# Altium PCB PCB.PcbDoc
Units mm, origin at the board's own origin, x right, y up, seen from the top; angles counter-clockwise.
Board outline 107.4 x 73.2 mm, 2 copper layers (Top Layer, Bottom Layer), stack 1.57 mm thick; 56 components, 24 nets, 146 pads, 364 vias.
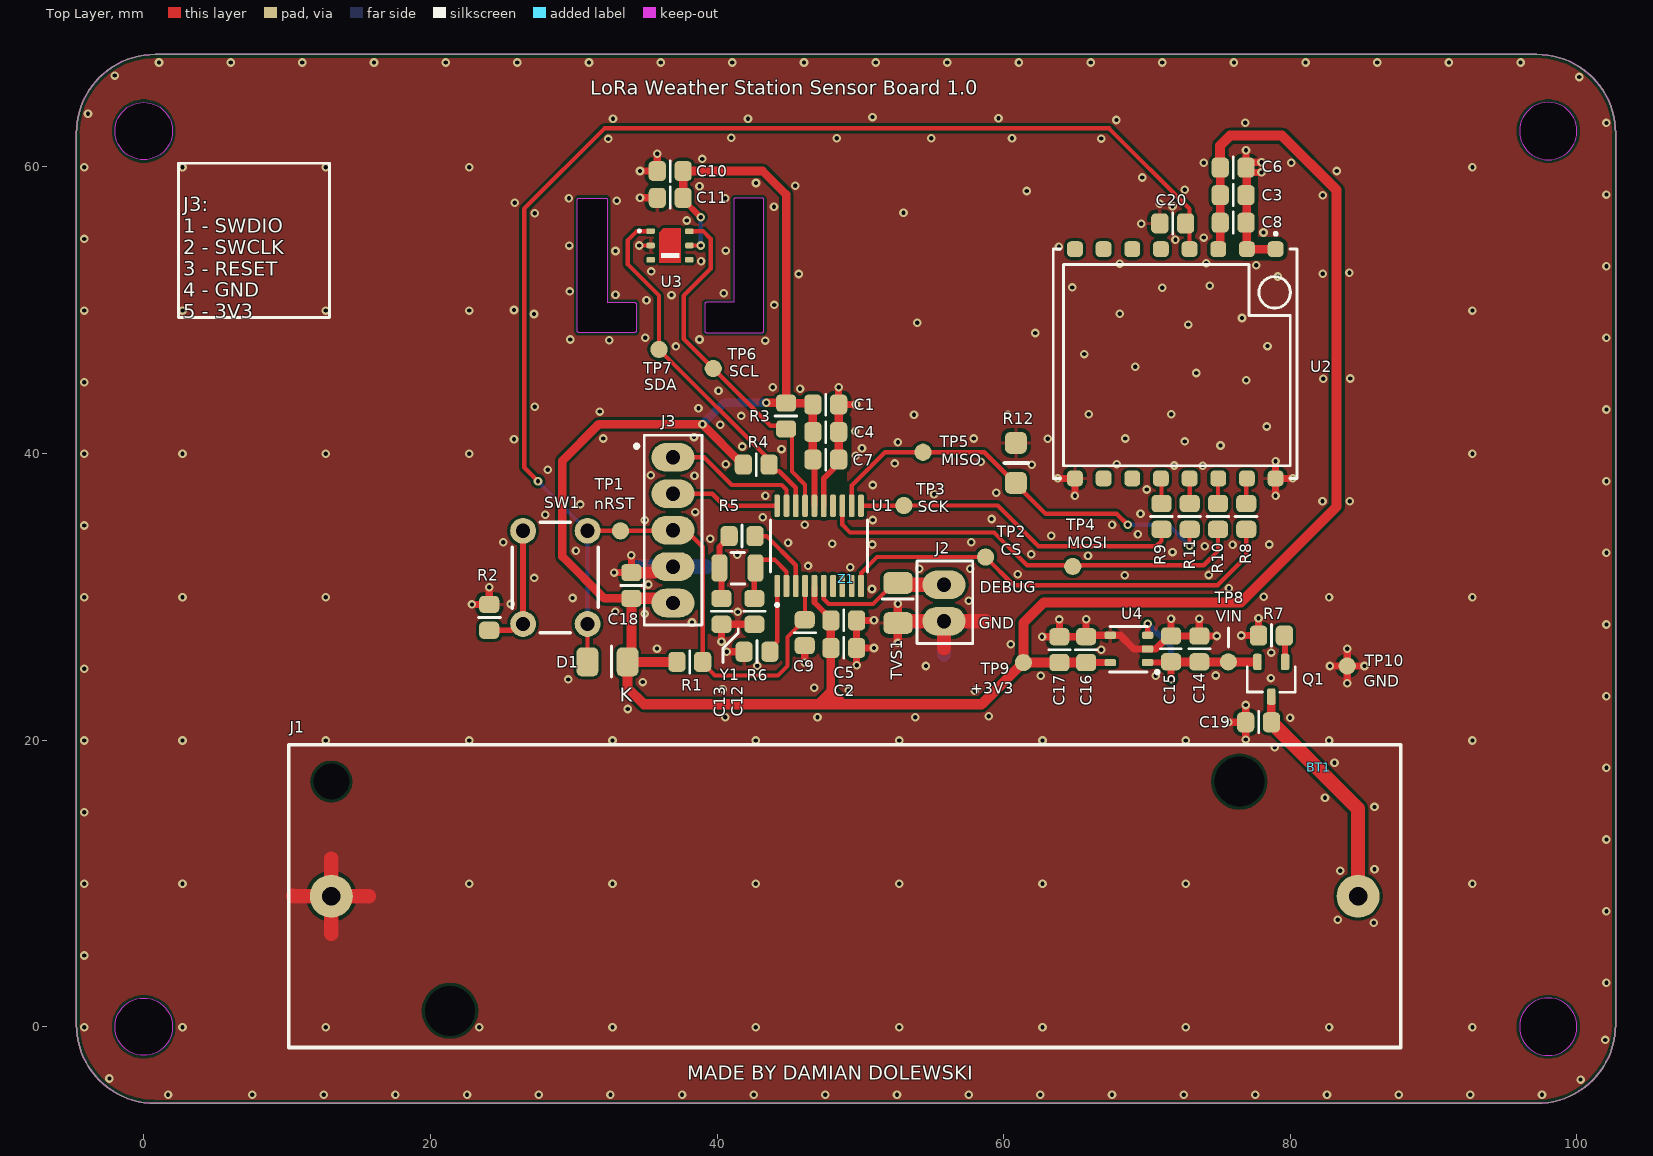
[diagram p0: Top Layer view]
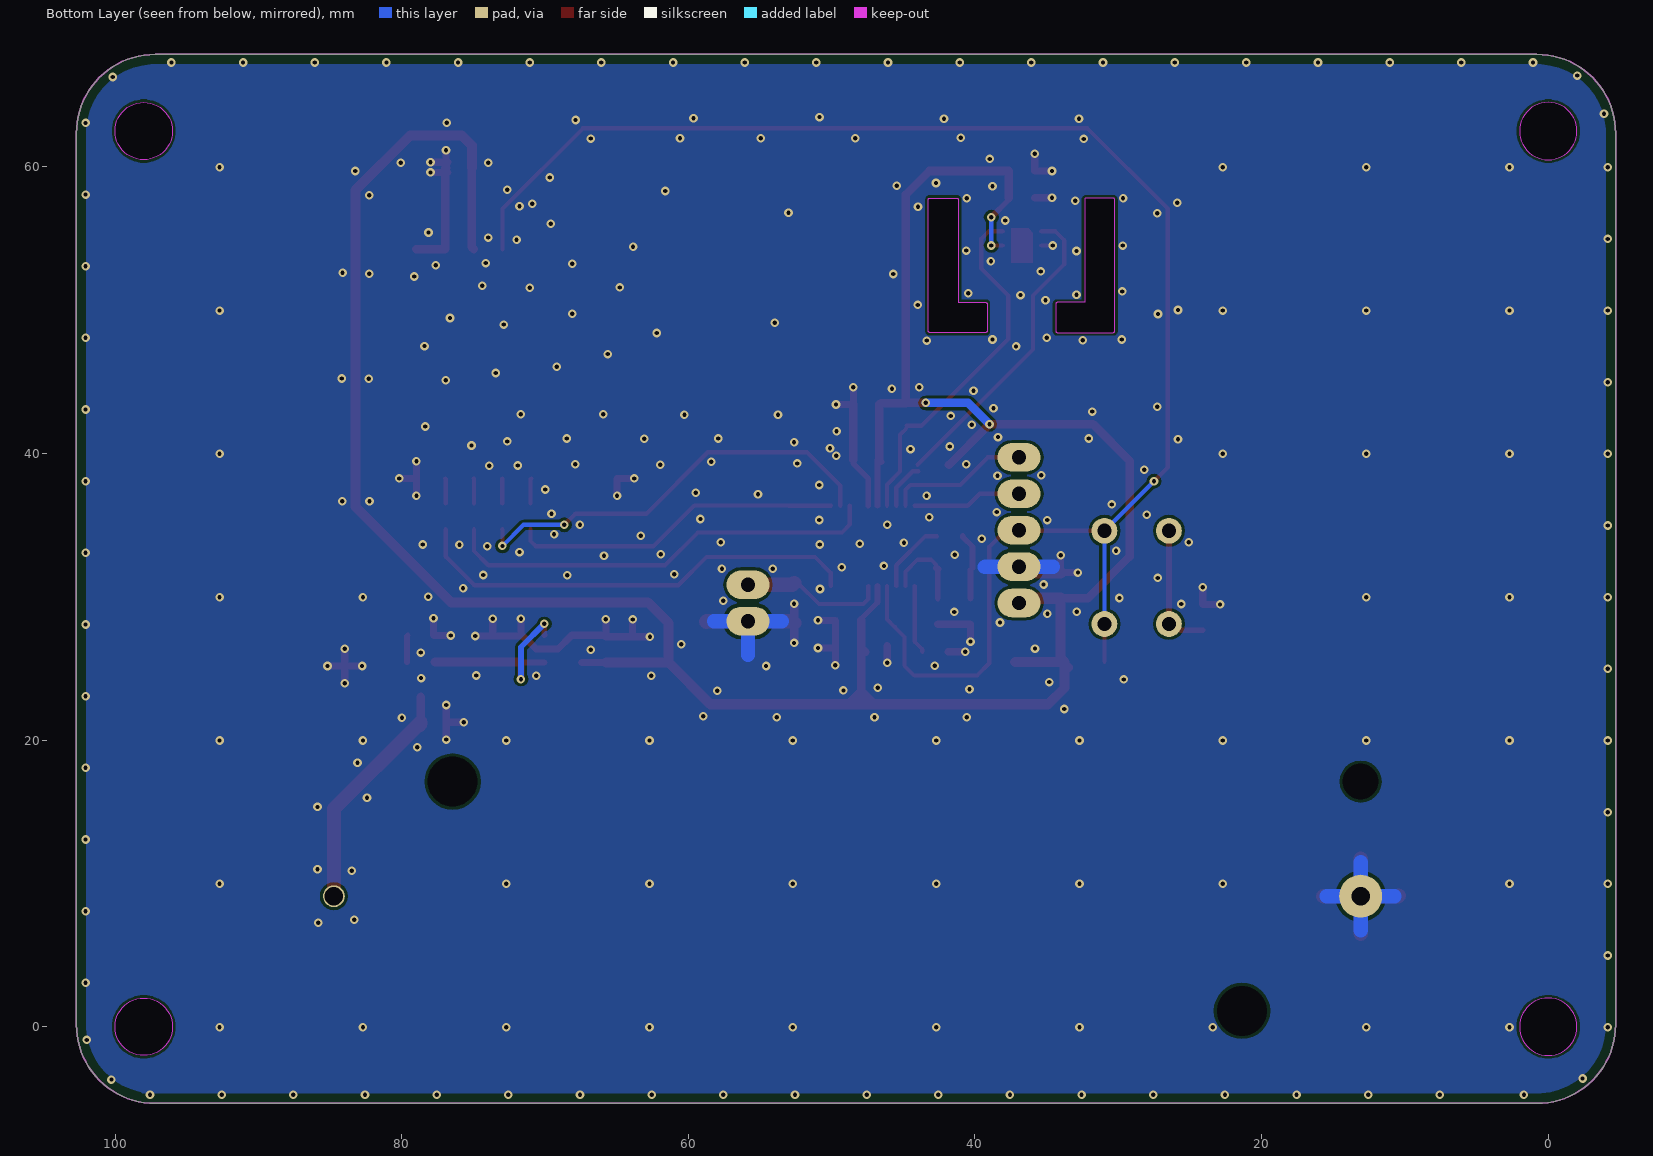
[diagram p1: Bottom Layer view, seen from below]
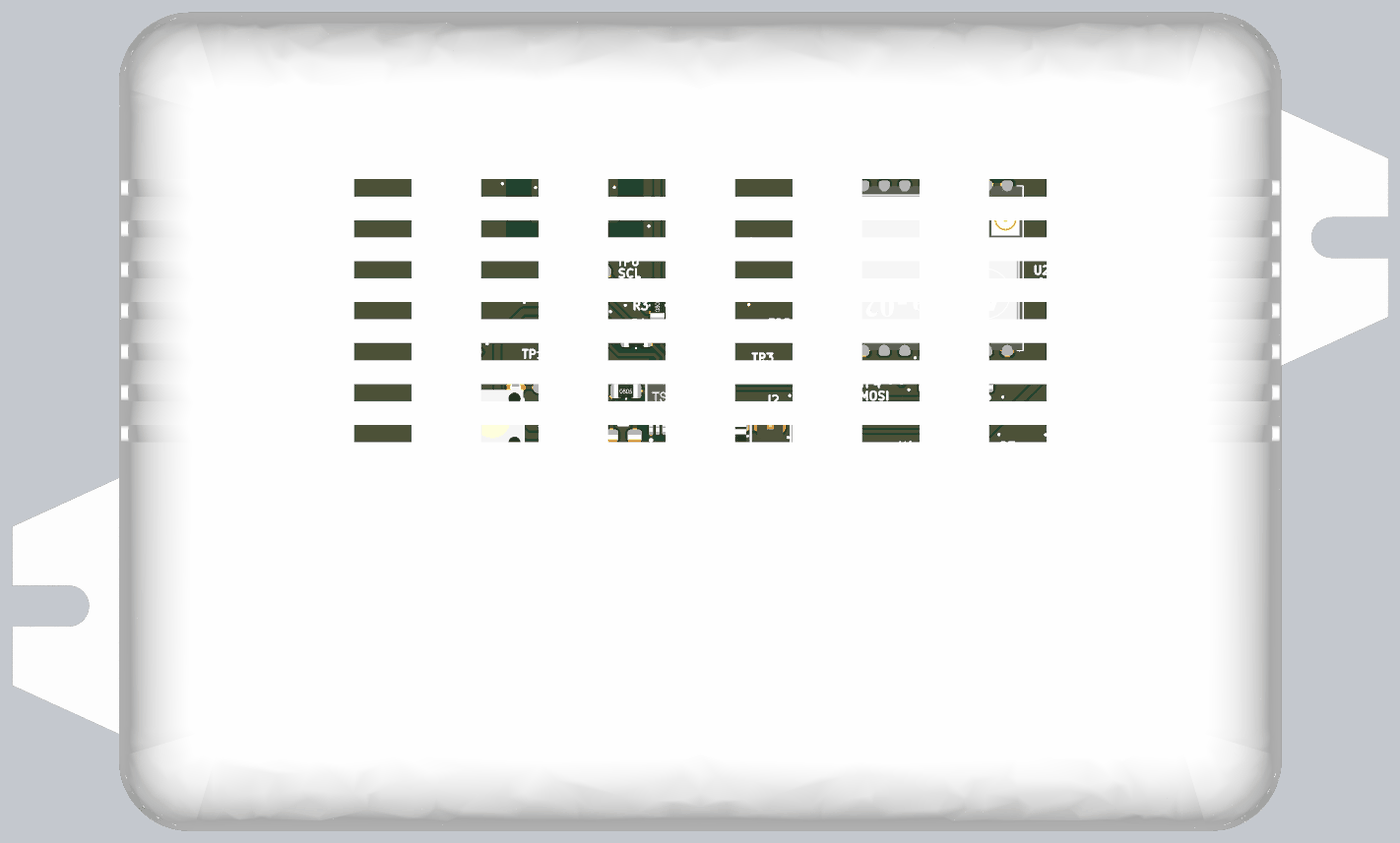
[diagram p2: 3D render of the assembled board from above, using the file's embedded part models]

## Layer stack, top to bottom
Top Solder: solder mask 0.0102, Solder Resist, Dk 3.5
Top Layer: signal copper 0.035
Dielectric 1: dielectric 1.5, FR-4, Dk 4.8
Bottom Layer: signal copper 0.035
Bottom Solder: solder mask 0.0102, Solder Resist, Dk 3.5

## Board outline
-4.7,0.15 -4.7,62.35 cw(c0.8,62.35) 0.8,67.85 97.2,67.85 cw(c97.2,62.35) 102.7,62.35 102.7,0.15 cw(c97.2,0.15) 97.2,-5.35 0.8,-5.35 cw(c0.8,0.15)
cut-out: 30.357,48.441 cw(c30.357,48.541) 30.257,48.541 30.257,57.716 cw(c30.357,57.716) 30.357,57.816 32.257,57.816 cw(c32.257,57.716) 32.358,57.716 32.358,50.541 34.257,50.541 cw(c34.257,50.441) 34.358,50.441 34.358,48.541 cw(c34.257,48.541) 34.257,48.441
cut-out: 43.157,48.441 ccw(c43.157,48.541) 43.258,48.541 43.258,57.716 ccw(c43.157,57.716) 43.157,57.816 41.257,57.816 ccw(c41.257,57.716) 41.157,57.716 41.157,50.541 39.257,50.541 ccw(c39.257,50.441) 39.157,50.441 39.157,48.541 ccw(c39.257,48.541) 39.257,48.441
cut-out: 0,-2 cw(c0,0) -2,0 cw(c0,0) 0,2 cw(c0,0) 2,0 cw(c0,0)
cut-out: 0,60.5 cw(c0,62.5) -2,62.5 cw(c0,62.5) 0,64.5 cw(c0,62.5) 2,62.5 cw(c0,62.5)
cut-out: 96,62.5 ccw(c98,62.5) 98,60.5 ccw(c98,62.5) 100,62.5 ccw(c98,62.5) 98,64.5 ccw(c98,62.5)
cut-out: 96,0 ccw(c98,0) 98,-2 ccw(c98,0) 100,0 ccw(c98,0) 98,2 ccw(c98,0)

## Design rules (kind name [scope] priority, off if disabled: settings)
Clearance [All] p1: gap=0.2 ignorepadtopadclearanceinfootprint=TRUE
ComponentClearance [All] p1: gap=0 collisioncheckmode=3 verticalgap=0 showdistances=FALSE
Height [All] p1: minheight=0 maxheight=30 prefheight=12.7
HoleSize [All] p1: absolutevalues=TRUE maxlimit=10 minlimit=0.025 maxpercent=80.000 minpercent=20.000
MinimumSolderMaskSliver [All] p1: minsoldermaskwidth=0
NetAntennae [InNet('NetANTENNA_1')] p1: netantennaetolerance=100
PolygonConnect PolygonConnect_BH [HasFootprint('MR18650')] p1: connectstyle=Relief reliefconductorwidth=0.5 reliefentries=4 polygonreliefangle="90 Angle" airgapwidth=0.3
PolygonConnect PolygonConnect_Via [IsVia] p2: connectstyle=Direct reliefconductorwidth=0.254 reliefentries=4 polygonreliefangle="90 Angle" airgapwidth=0.254
PolygonConnect [All] p3: connectstyle=Relief reliefconductorwidth=0.254 reliefentries=4 polygonreliefangle="90 Angle" airgapwidth=0.254
RoomDefinition sensors [InComponentClass('sensors')] p1: confinementstyle=ConfineIn formatcopy=TRUE lockcomponents=FALSE outline -46.082,-45.585 335.674,-45.585 335.674,199.956 -46.082,199.956
RoutingVias [All] p1: holewidth=0.8 width=2 viastyle="Through Hole" minholewidth=0.8 minwidth=2 maxholewidth=0.8 maxwidth=2
SilkToSilkClearance [All] p1: silktosilkclearance=0
SilkToSolderMaskClearance [IsPad] p1: minsilkscreentomaskgap=0 clearancetoexposedcopper=TRUE
SolderMaskExpansion [All] p1: expansion=0.102
Width [All] p1: maxlimit=2 minlimit=0.2 preferedwidth=0.3 bottomlayer_minwidth=0 minimp=50.000000 maximp=50.000000 favimp=50.000000
23 further rules are at their usual default settings.

## Components (designator, comment, footprint, x,y, rotation, side; value= is the part's Value field where it differs from the comment)
BT1 "SAMSUNG ICR 18650-22P" BATTERY_18650 81.993,18.11 r180 top locked
C1 "Capacitor" C_0805 47.587,43.422 r0 top value=10u
C2 "Capacitor" C_0805 48.843,26.433 r180 top value=1u
C3 "Capacitor" C_0805 76.01,58.027 r180 top value=10u
C4 "Capacitor" C_0805 47.587,41.502 r0 top value=10u
C5 "Capacitor" C_0805 48.843,28.354 r180 top value=10n
C6 "Capacitor" C_0805 76.01,59.948 r180 top value=10u
C7 "Capacitor" C_0805 47.587,39.581 r0 top value=100n
C8 "Capacitor" C_0805 76.01,56.107 r180 top value=100n
C9 "Capacitor" C_0805 46.12,27.501 r90 top value=100n
C10 "Capacitor" C_0805 36.732,59.713 r0 top value=100n
C11 "Capacitor" C_0805 36.735,57.843 r180 top value=1u
C12 "Capacitor" C_0805 42.601,28.984 r90 top value=14p
C13 "Capacitor" C_0805 40.31,28.984 r90 top value=14p
C14 "Capacitor" C_0805 73.652,26.367 r90 top value=1u
C15 "Capacitor" C_0805 71.681,26.37 r270 top value=100n
C16 "Capacitor" C_0805 65.756,26.32 r270 top value=100n
C17 "Capacitor" C_0805 63.886,26.316 r90 top value=1u
C18 "Capacitor" C_0805 34.024,30.792 r270 top value=100n
C19 "Capacitor" C_0805 77.787,21.248 r180 top value=10u
C20 "Capacitor" C_0805 71.795,56.058 r0 top value=100n
D1 "SS110-TP" D_1206 32.36,25.466 r0 top
J1 "Header 2" "KEYSTONE 1043" 48.91,9.11 r180 top locked value="KEYSTONE 1034"
J2 "Header 2" "header 2.54mm 2pin" 55.842,29.573 r270 top value=HDR2
J3 "Header 5" "header 2.54mm 5pin" 36.925,34.651 r270 top value=HDR5
Q1 "MOSFET-P" SOT-23 78.672,24.235 r270 top
R1 "Resistor" R_0805 38.1,25.466 r180 top value=10k
R2 "Resistor" R_0805 24.107,28.569 r270 top value=330
R3 "Resistor" R_0805 44.817,42.621 r90 top value=2k2
R4 "Resistor" R_0805 42.736,39.225 r180 top value=2k2
R5 "Resistor" R_0805 41.749,34.237 r0 top value=75
R6 "Resistor" R_0805 42.787,26.17 r0 top value=10k
R7 "Resistor" R_0805 78.683,27.299 r0 top value=10k
R8 "Resistor" R_0805 76.927,35.611 r90 top value=22R
R9 "Resistor" R_0805 71.012,35.611 r90 top value=22R
R10 "Resistor" R_0805 74.955,35.611 r90 top value=22R
R11 "Resistor" R_0805 72.984,35.611 r90 top value=22R
R12 "Resistor" R_1206 60.858,39.345 r270 top value=10k
SW1 "Switch-PB 4 Pins" SPST_NO_1301 28.718,31.357 r90 top value=TACT-64N-F
TP1 "TEST PAD" PIN 33.262,34.607 r180 top
TP2 "TEST PAD" PIN 58.738,32.774 r90 top
TP3 "TEST PAD" PIN 53.035,36.373 r90 top
TP4 "TEST PAD" PIN 64.821,32.122 r180 top
TP5 "TEST PAD" PIN 54.369,40.089 r90 top
TP6 "TEST PAD" PIN 39.739,45.931 r90 top
TP7 "TEST PAD" PIN 35.954,47.263 r90 top
TP8 "TEST PAD" PIN 75.675,25.464 r90 top
TP9 "TEST PAD" PIN 61.375,25.411 r90 top
TP10 "TEST PAD" PIN 83.972,25.171 r90 top
TVS1 "SMAJ5.0ALFCT-ND" D_1206 52.622,29.571 r90 top value=5V
U1 "STM32F030F4P6" TSSOP20 44.195,30.755 r0 top
U2 "LoRa RA-02 SX1278 433MHz" RA-02 71.971,46.261 r270 top value=RA-02
U3 "SHT21" DFN6 36.716,54.516 r0 top
U4 "TPS78233" SOP5(6) 68.739,26.366 r180 top
Y1 "7A-8.000MAAE-T" CFPX_217 41.428,32.012 r180 top value=8MHz
Z1 "Maszczyk KM-31NO GY" "KM-31NO GY" 49.01,31.275 r180 top locked

## Footprints (in the part's own frame and the unit in brackets; to place one, negate y for a bottom-side part, rotate by r counter-clockwise, add the part's x,y. Pads: shape width x height; smd on the part's side, far side on the other; paste and mask are expansions set on the pad)
BATTERY_18650 [mm]
  body extent 0,0 65.1,18, height 21
C_0805 [mm] "Chip Capacitor, Body 2.0x1.3mm, IPC High Density"
  rrect50% 1.2x1.4 smd: 1(-0.9,0) 2(0.9,0)
  silkscreen extent 0,-0.75 0,0.72, body extent -1.01,-0.62 0.99,0.63, height 0.8
CFPX_217 [mm] "3.2 x 1.5mm SMD crystal"
  rrect50% 1.1x1.9 smd: 1(-1.257,0) 2(1.257,0)
  silkscreen extent -0.51,-1.09 0.46,1.12, body extent -1.57,-0.76 1.65,0.76, height 0.91
D_1206 [mil]
  rrect50% 60x80 smd: 1(-55,0) 2(55,0)
  silkscreen extent 11,-42 11,43, body extent -66,-34 66,34, height 33
DFN6 [mm] "body 3x3mm"
  rrect50% 0.6x0.4 smd: 1(-1.35,1) 2(-1.35,0) 3(-1.35,-1) 4(1.35,-1) 5(1.35,0) 6(1.35,1)
  Top Layer region: 0.75,-1.2 -0.75,-1.2 -0.75,0.9 -0.45,1.2 0.75,1.2
  silkscreen extent -2.21,-0.89 0.66,1.09, body extent -1.5,-1.5 1.5,1.5, height 1
"header 2.54mm 2pin" [mm]
  oval 2x3 hole 1: 1(-1.27,0) 2(1.27,0)
  silkscreen extent -2.93,-1.9 2.83,2, body extent -2.54,-1.27 2.54,1.27, height 8.57
"header 2.54mm 5pin" [mm] "Connector; Header; 5 Position"
  oval 2x3 hole 1: 1(-5.08,0) 2(-2.54,0) 3(0,0) 4(2.54,0) 5(5.08,0)
  silkscreen extent -6.63,-2 6.63,2.02, body extent -6.35,-1.27 6.35,1.27, height 8.57
"KEYSTONE 1043" [mm]
  round 3 / inner round 1.524 / far side round 1.524 hole 1.3: 1(-35.82,0)
  round 3 hole 1.3: 2(35.82,0)
  round 0 hole 3.5 unplated: MH9(-27.54,-8) MH9(27.54,8)
  round 0 hole 2.5 unplated: MH9(35.82,-8)
  silkscreen extent -38.8,-10.58 38.8,10.55, body extent -38.52,-10.33 38.53,10.32, height 14.86
"KM-31NO GY" [mm]
  body extent -67.14,-39.98 67.16,40.03, height 24.3
PIN [mm] "Test Pad"
  round 1.2 smd: 1(0,0)
R_0805 [mm] "Chip Resistor, Body 2.0x1.2mm, IPC Medium Density"
  rrect50% 1.2x1.4 smd: 1(-0.9,0) 2(0.9,0)
  silkscreen extent 0,-0.75 0,0.77, body extent -1.16,-0.67 1.14,0.68, height 0.76
R_1206 [mil]
  rrect50% 60x60 smd: 1(-55,0) 2(55,0)
  silkscreen extent 0,-31 0,33, body extent -62,-31 64,32, height 22
RA-02 [mm]
  rrect50% 1.1x1.1 smd: 1(-8,7) 2(-8,5) 3(-8,3) 4(-8,1) 5(-8,-1) 6(-8,-3) 7(-8,-5) 8(-8,-7) 9(8,-7) 10(8,-5) 11(8,-3) 12(8,-1) 13(8,1) 14(8,3) 15(8,5) 16(8,7)
  silkscreen extent -9.14,-8.51 8,8.51, body extent -8,-8.5 8,8.5
SOP5(6) [mm] "Small Outline; 6 Leads (1 Absent); Body Width 4.4 mm; Pitch 1.27 mm"
  rrect50% 0.8x0.5 smd mask+0.076: 1(-1.3,0.95) 2(-1.3,0) 3(-1.3,-0.95) 4(1.3,-0.95) 5(1.3,0.95)
  silkscreen extent -2.08,-1.56 1.34,1.71, body extent -1.2,-1.52 1.3,1.48, height 1.11
SOT-23 [mm] "SOT23, 3-Leads, Body 2.9x1.3mm, Pitch 0.95mm, Lead Span 2.5mm, IPC Medium Density"
  rrect50% 1.15x0.6 smd: 1(-1.219,0.965) 2(-1.219,-0.965) 3(1.194,0)
  silkscreen extent -0.89,-1.68 0.89,1.68, body extent -1.53,-1.5 1.47,1.5, height 1.3
SPST_NO_1301 [mm] "Micro Switch case 1301"
  round 1.8 hole 1: 1(-3.25,2.25) 2(3.25,2.25) 3(-3.25,-2.25) 4(3.25,-2.25)
  silkscreen extent -3.85,-3.01 3.85,3.01, body extent -3.85,-3 3.85,3, height 4.3
TSSOP20 [mm] "TSSOP, Plastic; 20 Leads; Body Width 5.3 mm; Pitch 0.65 mm"
  rrect50% 0.4x1.55 smd mask+0.07: 1(0,0) 2(0.65,0) 3(1.3,0) 4(1.95,0) 5(2.6,0) 6(3.25,0) 7(3.9,0) 8(4.55,0) 9(5.2,0) 10(5.85,0) 11(5.85,5.6) 12(5.2,5.6) 13(4.55,5.6) 14(3.9,5.6) 15(3.25,5.6) 16(2.6,5.6) 17(1.95,5.6) 18(1.3,5.6) 19(0.65,5.6) 20(0,5.6)
  silkscreen extent -0.47,-1.42 6.31,4.6, body extent -0.38,-0.51 6.22,6.09, height 1.2

## Part data
BT1: library part Battery, "Multicell Battery", LatestRevisionDate=17-Jul-2002, LatestRevisionNote="Re-released for DXP Platform.", PackageDescription="Battery; 2 Leads", PackageReference=BAT-2, Published=24-Mar-1999, Publisher="Altium Limited"
D1: library part "Diode Schottky", "Schottky Diode"
J1 J2: "Header, 2-Pin"
J3: "Header, 5-Pin"
Q1: "P-Channel MOSFET"
SW1: "Switch 4 Pins"
TP1 TP2 TP3 TP4 TP5 TP6 TP7 TP8 TP9 TP10: library part TEST_PAD, "PAD 1.5mm"
TVS1: library part Transil, "Transil"
U1: "Mikrokontroler ARM; Flash:16kB; 48MHz; SRAM:4kB; TSSOP20"
U2: library part "RA-02 SX1278"
U3: "Humidity and Temperature Sensor IC"
U4: "150-mA, ultra-low quiescent qurrent (500 nA) low-dropout linear regulator"
Y1: library part XTAL, "Crystal Oscillator"
Z1: library part "KM-31NO GY", "X:80mm; Y:114mm; Z:32mm; wentylowana; ABS"

## Via types
v1: diameter 0.6, hole 0.3, Top Layer to Bottom Layer, tented both sides, 364 vias

## Nets (pads, with @x,y where several pads share a name; then routed paths per layer and width w, separated by ;. In a path a pad name is that pad's centre, name@x,y a point inside that pad or via, vN(x,y) a via of type N, cw(c..) or ccw(c..) an arc to the next point about the centre after c; other vN are vias at no path point)
+3V3: C1.1 C2.2 C3.2 C4.1 C5.2 C6.2 C7.1 C8.2 C10.2 C11.1 C16.2 C17.1 C18.2 D1.2 J3.5 R1.2 R3.2 R4.2 TP9.1 U1.5 U1.16 U2.3 U3.5 U4.5 | length 197.2
  Top Layer w0.3: U3.5 v1(38.862,54.516)
  Top Layer w0.4: C11.1 37.635,57.717 v1(38.862,56.49) ; C7.1@46.516,39.409 C7.1 ; U1.5 46.795,29.603 47.943,28.456 C5.2 ; U1.16 C7.1@46.795,39.581
  Top Layer w0.5: C16.2 65.76,25.416 U4.5
  Top Layer w0.6: C18.2 32.134,29.892 29.21,32.817 29.21,39.497 31.75,42.037 v1(38.989,42.037) R4.2@41.818,39.208 ; C11.1 37.633,57.845 37.633,59.712 C10.2 43.182,59.713 44.817,58.078 R3.2 ; v1(43.434,43.536) 44.802,43.536 R3.2 ; C7.1 C4.1 C1.1 46.589,43.521 R3.2 ; C2.2@47.664,26.154 C2.2 ; C5.2 C2.2 ; 47.955,22.504 47.943,22.517 C2.2 ; U2.3 75.11,54.4 C8.2 C3.2 C6.2
  Top Layer w0.7: D1.2@33.508,25.075 D1.2@33.757,25.324 ; C18.2 34.024,25.733 D1.2 ; R1.2 D1.2 ; C16.2 65.748,25.411 TP9.1 ; C6.2 75.11,61.496 75.794,62.179 79.426,62.179 83.236,58.369 83.236,36.297 76.556,29.616 62.814,29.616 61.375,28.177 TP9.1 ; D1.2@33.757,25.324 33.757,23.647 34.9,22.504 47.955,22.504 58.468,22.504 TP9.1 ; D1.2@33.757,25.324 D1.2
  Top Layer w0.8: C18.2 35.779,29.892 36.1,29.571 J3.5
  Bottom Layer w0.3: v1(38.862,54.516) v1(38.862,56.49)
  Bottom Layer w0.6: v1(38.989,42.037) 40.488,43.536 v1(43.434,43.536)
BOOT0: R6.2 U1.1 | length 4.8
  Top Layer w0.3: R6.2 43.687,26.351 44.195,26.859 U1.1
DEBUG: J2.1 TVS1.2 U1.6 | length 10.1
  Top Layer w0.3: U1.6 47.445,29.842 47.791,29.497 50.889,29.497 52.36,30.968 TVS1.2
  Top Layer w1: TVS1.2 52.747,30.843 J2.1
GND: C1.2 C2.1 C3.1 C4.2 C5.1 C6.1 C7.2 C8.1 C9.1 C10.1 C11.2 C12.1 C13.1 C14.2 C15.1 C16.1 C17.2 C18.1 C19.2 C20.1 J1.2 J2.2 J3.4 R2.1 R6.1 R7.1 R12.1 TP10.1 TVS1.1 U1.15 U2.1 U2.2 U2.9 U2.16 U3.2 U4.2 U4.4 | length 122.4
  Top Layer w0.3: v1(34.571,54.516) U3.2
  Top Layer w0.4: U1.15 47.445,38.26 48.487,39.302 C7.2
  Top Layer w0.5: v1(22.9,29.469) R2.1 v1(24.107,30.676) ; v1(32.817,31.692) C18.1 v1(34.024,32.9) ; v1(34.624,59.713) C10.1 v1(35.832,60.921) ; v1(34.628,57.843) C11.2 ; v1(40.31,26.877) C13.1 C12.1 ; v1(40.68,26.17) R6.1 ; v1(46.12,25.394) C9.1 ; v1(48.487,44.63) C1.2 v1(49.695,43.422) ; v1(49.743,25.226) C2.1 ; v1(50.95,26.433) C2.1 ; v1(50.95,28.36) 49.75,28.36 C5.1 C2.1 ; v1(62.681,27.218) C17.2@63.888,27.218 ; v1(63.764,38.261) U2.9 v1(64.971,37.054) ; C17.2 C17.2@63.888,27.218 ; v1(63.888,28.425) C17.2@63.888,27.218 ; v1(65.756,28.427) C16.1 ; v1(71.681,28.478) C15.1 ; v1(73.652,28.474) C14.2 ; v1(74.86,27.267) C14.2 ; v1(75.68,21.248) C19.2 ; v1(76.576,27.299) R7.1 v1(77.783,28.506) ; C6.1@76.784,59.614 76.971,59.614 v1(77.991,59.614) ; C6.1@76.784,60.325 C6.1@76.91,60.325 ; v1(76.887,20.041) C19.2 ; v1(76.887,22.455) C19.2 ; C6.1 C6.1@76.91,60.325 ; v1(76.91,61.155) C6.1@76.91,60.325 ; v1(77.991,60.325) C6.1@76.91,60.325 ; v1(78.971,37.054) U2.16 ; v1(78.971,39.468) U2.16 ; v1(80.179,38.261) U2.16 ; v1(82.765,25.171) TP10.1 ; v1(83.972,23.964) TP10.1 ; v1(83.972,26.379) TP10.1 ; v1(85.18,25.171) TP10.1 ; C17.2@63.888,27.218 65.755,27.218 C16.1 ; C16.1 65.853,27.316 U4.4 68.137,27.316 69.087,26.366 U4.2 70.613,26.366 71.167,26.92 71.204,26.92 71.554,27.27 C15.1 ; C15.1 73.649,27.27 C14.2
  Top Layer w0.6: C7.2 C4.2 C1.2 ; v1(52.622,26.786) TVS1.1 v1(52.622,29.515) ; C6.1 76.971,59.887 76.971,59.614 U2.2 U2.1
  Top Layer w0.8: C18.1 35.682,31.692 36.1,32.111 J3.4
  Top Layer w1: 10.439,9.144 10.473,9.11 J1.2 ; 13.09,6.493 J1.2 ; 13.09,11.727 J1.2 ; 15.707,9.11 J1.2 ; TVS1.1 52.751,28.303 J2.2 ; 55.842,26.416 J2.2 ; 58.75,28.27 58.717,28.303 J2.2
  Bottom Layer w1: 10.726,9.11 J1.2 ; 13.09,6.746 J1.2 ; 13.09,11.474 J1.2 ; 15.454,9.11 J1.2 ; 34.561,32.111 J3.4 39.289,32.111 39.319,32.08 ; 53.479,28.303 J2.2 ; 55.842,25.939 J2.2 ; 58.206,28.303 J2.2
  other v1: 1.698,-4.75 7.561,-4.75 12.561,-4.75 17.561,-4.75 22.561,-4.75 27.561,-4.75 32.561,-4.75 37.561,-4.75 42.561,-4.75 47.561,-4.75 52.561,-4.75 57.561,-4.75 62.561,-4.75 67.561,-4.75 72.561,-4.75 77.561,-4.75 82.561,-4.75 87.561,-4.75 92.561,-4.75 97.561,-4.75 100.254,-3.683 -2.395,-3.607 101.981,-0.914 -4.14,-0.025 2.707,-0.025 12.707,-0.025 23.419,-0.025 32.707,-0.025 42.707,-0.025 52.707,-0.025 62.707,-0.025 72.707,-0.025 82.707,-0.025 92.707,-0.025 102.057,3.068 -4.14,4.975 85.827,7.264 83.312,7.468 102.057,8.068 -4.14,9.975 2.707,9.975 22.707,9.975 32.707,9.975 42.707,9.975 52.707,9.975 62.707,9.975 72.707,9.975 92.707,9.975 83.49,10.897 85.877,10.998 102.057,13.068 -4.14,14.975 85.877,15.342 82.423,15.977 102.057,18.068 83.083,18.415 78.918,19.507 -4.14,19.975 2.707,19.975 12.707,19.975 22.707,19.975 32.707,19.975 42.707,19.975 52.707,19.975 62.707,19.975 72.707,19.975 82.707,19.975 92.707,19.975 79.985,21.565 40.579,21.59 47.013,21.59 53.823,21.59 58.953,21.666 33.782,22.174 102.057,23.068 57.988,23.444 49.178,23.47 40.386,23.546 46.787,23.647 34.823,24.054 29.616,24.238 78.648,24.333 62.586,24.486 70.615,24.486 74.803,24.511 -4.14,24.975 54.578,25.171 42.799,25.197 78.672,26.111 66.802,26.306 35.814,26.391 60.503,26.7 102.057,28.068 38.252,28.211 34.946,28.829 41.453,28.947 32.893,28.966 25.603,29.497 57.564,29.718 29.921,29.921 -4.14,29.975 2.707,29.975 12.707,29.975 82.707,29.975 92.707,29.975 78.156,29.997 50.813,30.545 75.717,30.607 35.215,30.861 27.252,31.318 68.453,31.496 74.32,31.521 60.985,31.572 54.121,31.953 57.658,31.967 49.301,32.055 46.355,32.156 65.888,32.868 41.402,32.929 61.925,32.969 102.057,33.068 71.78,33.122 30.156,33.223 74.041,33.528 75.971,33.63 50.825,33.655 78.537,33.655 48.031,33.706 25.095,33.8 44.958,33.782 57.734,33.8 39.522,34.052 63.322,34.265 69.367,34.366 -4.14,34.975 46.12,35.027 67.564,35.027 34.967,35.357 50.876,35.359 59.157,35.433 43.192,35.56 28.016,35.738 69.545,35.789 38.481,35.916 30.455,36.449 82.245,36.678 84.15,36.678 43.377,37.054 55.143,37.16 59.487,37.262 69.977,37.49 50.876,37.803 102.057,38.068 38.43,38.456 35.377,38.481 28.194,38.862 73.889,39.142 71.907,39.167 61.951,39.218 40.615,39.243 67.894,39.243 52.4,39.309 58.395,39.418 49.689,39.853 -4.14,39.975 2.707,39.975 12.707,39.975 22.707,39.975 92.707,39.975 44.499,40.31 50.114,40.361 41.76,40.488 75.133,40.558 52.622,40.779 72.644,40.843 25.832,40.996 63.068,41.021 32.055,41.046 57.912,41.046 68.478,41.046 38.391,41.148 49.657,41.554 78.359,41.885 40.234,42.012 41.691,42.621 53.746,42.697 60.274,42.697 65.938,42.748 71.694,42.748 31.826,42.926 102.057,43.068 38.71,43.155 27.28,43.256 40.107,44.374 45.796,44.526 43.879,44.63 -4.14,44.975 76.937,45.11 82.296,45.212 84.176,45.237 73.431,45.618 69.19,46.05 65.634,46.939 37.135,47.471 78.41,47.498 43.358,47.879 32.487,47.904 29.769,47.955 38.778,47.955 102.057,48.068 34.989,48.082 62.205,48.406 72.873,48.997 53.975,49.124 76.632,49.454 27.229,49.733 68.097,49.759 -4.14,49.975 2.707,49.975 12.707,49.975 22.707,49.975 92.707,49.975 25.832,50.013 43.987,50.368 35.077,50.698 36.822,51.054 32.918,51.079 40.462,51.181 29.718,51.308 71.067,51.562 64.795,51.587 74.371,51.714 79.121,52.349 45.695,52.527 82.271,52.553 84.125,52.603 35.408,52.705 102.057,53.068 77.622,53.137 68.097,53.238 74.143,53.289 38.887,53.416 32.918,54.133 40.615,54.161 63.856,54.432 29.693,54.508 71.984,54.915 -4.14,54.975 73.965,55.067 78.13,55.423 69.596,56.032 37.897,56.261 27.28,56.769 53.01,56.794 43.978,57.224 71.78,57.252 70.891,57.429 25.883,57.506 32.995,57.633 29.667,57.816 40.579,57.81 82.271,58.027 102.057,58.068 61.62,58.318 72.644,58.395 38.778,58.643 45.466,58.674 42.723,58.877 69.672,59.258 83.236,59.715 -4.14,59.975 2.707,59.975 12.707,59.975 22.707,59.975 92.707,59.975 73.965,60.296 80.061,60.296 38.964,60.554 32.41,61.951 66.802,61.976 48.36,62.001 54.94,62.001 60.579,62.001 40.996,62.027 76.86,63.083 102.057,63.068 67.869,63.271 32.741,63.348 42.164,63.348 59.639,63.398 50.851,63.475 -3.886,63.703 100.152,66.269 -2.032,66.37 1.067,67.285 6.067,67.285 11.067,67.285 16.067,67.285 21.067,67.285 26.067,67.285 31.067,67.285 36.067,67.285 41.067,67.285 46.067,67.285 51.067,67.285 56.067,67.285 61.067,67.285 66.067,67.285 71.067,67.285 76.067,67.285 81.067,67.285 86.067,67.285 91.067,67.285 96.067,67.285
I2C_SCL: R3.1 TP6.1 U1.17 U3.6 | length 25
  Top Layer w0.3: U3.6 39.028,55.516 39.553,54.99 39.553,52.888 37.681,51.016 37.681,47.988 TP6.1 43.734,41.935 R3.1@44.78,41.935 ; R3.1 45.225,41.313 45.225,38.743 46.145,37.822 U1.17
I2C_SDA: R4.1 TP7.1 U1.18 U3.1 | length 25
  Top Layer w0.3: U3.1 34.409,55.516 33.782,54.889 33.782,53.189 35.954,51.016 TP7.1 R4.1@43.992,39.225 ; R4.1@43.967,38.76 44.348,38.76 45.495,37.613 U1.18
NetC13_2: C13.2 R5.1 Y1.2 | length 4.7
  Top Layer w0.4: C13.2 40.31,31.872 Y1.2 40.171,33.503 40.849,34.181 R5.1
NetQ1_1: Q1.1 R7.2 | length 1.9
  Top Layer w0.4: R7.2 79.637,27.245 Q1.1
NetR2_2: R2.2 SW1.1 SW1.2 | length 9.2
  Top Layer w0.4: R2.2 25.651,27.669 SW1.1@26.089,28.107 ; SW1.1 SW1.1@26.089,28.107 ; SW1.2 26.468,28.485 SW1.1@26.089,28.107
NetR8_2: R8.2 U2.15 | length 1.8
  Top Layer w0.3: R8.2 76.927,38.217 U2.15
NetR9_2: R9.2 U2.12 | length 1.8
  Top Layer w0.3: U2.12 71.012,38.22 R9.2
NetR10_2: R10.2 U2.14 | length 1.8
  Top Layer w0.3: R10.2 74.955,38.245 U2.14
NetR11_2: R11.2 U2.13 | length 1.8
  Top Layer w0.3: U2.13 72.984,38.249 R11.2
nRESET: C9.2 C20.2 D1.1 J3.3 R1.1 SW1.3 SW1.4 TP1.1 U1.4 U2.4 | length 116.6
  Top Layer w0.3: v1(27.508,38.066) 26.556,39.018 26.556,57.087 32.156,62.687 67.361,62.687 72.971,57.077 U2.4 ; D1.1 30.963,28.102 SW1.3 ; SW1.4 TP1.1 J3.3@36.925,34.607 ; J3.3 37.836,34.651 39.002,33.485 R1.1@39.002,25.466 ; R1.1 39,25.364 39.853,24.511 44.247,24.511 44.92,25.185 44.92,27.201 45.57,27.851 45.57,27.87 46.102,28.401 C9.2 46.145,28.426 U1.4
  Bottom Layer w0.3: v1(27.508,38.066) SW1.4 SW1.3
OSC_IN: C12.2 U1.2 Y1.1 | length 6
  Top Layer w0.3: Y1.1 42.685,32.205 43.076,32.596 44.006,32.596 44.845,31.756 U1.2 U1.2@44.844,30.756
  Top Layer w0.4: C12.2 Y1.1@42.601,31.928
  Top Layer w0.508: Y1.1@42.601,31.928 Y1.1
OSC_OUT: R5.2 U1.3 | length 5.1
  Top Layer w0.3: R5.2 43.457,34.237 45.495,32.199 U1.3
SPI_CS: R8.1 TP2.1 U1.10 | length 31.8
  Top Layer w0.3: U1.10 50.071,30.781 50.071,31.682 51.163,32.774 TP2.1 60.701,30.81 74.93,30.81 76.927,32.807 R8.1
SPI_MISO: R11.1 R12.2 TP5.1 U1.12 | length 29.8
  Top Layer w0.3: U1.12 49.395,37.763 51.722,40.089 TP5.1 58.643,40.089 62.943,35.789 67.894,35.789 v1(68.656,35.027) ; v1(72.974,33.553) 72.974,34.701 R11.1
  Bottom Layer w0.3: v1(68.656,35.027) 71.501,35.027 v1(72.974,33.553)
SPI_MOSI: R10.1 TP4.1 U1.13 | length 30.6
  Top Layer w0.3: U1.13 48.745,35.024 49.276,34.493 59.334,34.493 61.629,32.199 64.821,32.199 73.956,32.199 74.955,33.198 R10.1
SPI_SCK: R9.1 TP3.1 U1.11 | length 23.1
  Top Layer w0.3: U1.11 TP3.1@53.035,36.355 ; TP3.1 59.588,36.373 62.433,33.528 70.637,33.528 71.012,33.903 R9.1
SWCLK: J3.2 U1.20 | length 7.6
  Top Layer w0.3: J3.2 39.665,37.191 40.501,36.355 U1.20
SWDIO: J3.1 U1.19 | length 10
  Top Layer w0.3: J3.1 39.106,39.731 41.034,37.803 44.514,37.803 44.845,37.471 U1.19
Vbat: C19.1 J1.1 Q1.3 | length 16.5
  Top Layer w0.6: Q1.3 78.672,21.262 C19.1
  Top Layer w1: C19.1 78.687,21.148 78.787,21.048 78.887,21.048 84.73,15.204 J1.1
VIN: C14.1 C15.2 Q1.2 TP8.1 U4.1 U4.3 | length 14.3
  Top Layer w0.4: U4.1 71.627,25.416 C15.2 ; U4.3 70.053,27.33 v1(70.053,28.118)
  Top Layer w0.5: v1(71.681,24.257) C15.2
  Top Layer w0.6: C15.2 71.697,25.454 Q1.2
  Bottom Layer w0.4: v1(70.053,28.118) 71.681,26.49 v1(71.681,24.257)
pads on no net: J1.MH9 U1.7 U1.8 U1.9 U1.14 U2.5 U2.6 U2.7 U2.8 U2.10 U2.11 U3.3 U3.4

## Polygon pours and split planes (outlines as drawn)
no net on Top Layer "TOP_GND" (solid, remove dead copper, pour order 12): -4.7,0.15 -4.7,62.35 cw(c0.8,62.35) 0.8,67.85 97.2,67.85 cw(c97.2,62.35) 102.7,62.35 102.7,0.15 cw(c97.2,0.15) 97.2,-5.35 0.8,-5.35 cw(c0.8,0.15)
GND on Top Layer "TOP_GND" (solid, remove dead copper, pour order 10): -4.7,0.15 -4.7,62.35 cw(c0.8,62.35) 0.8,67.85 97.2,67.85 cw(c97.2,62.35) 102.7,62.35 102.7,0.15 cw(c97.2,0.15) 97.2,-5.35 0.8,-5.35 cw(c0.8,0.15)
GND on Bottom Layer "BOTTOM_GND" (solid, remove dead copper, pour order 9): -4,0.15 -4,62.35 cw(c0.8,62.35) 0.799,67.15 cw(c0.8,67.05) 0.8,67.15 97.2,67.15 cw(c97.2,62.35) 102,62.35 cw(c101.9,62.35) 102,62.349 102,0.15 cw(c97.2,0.15) 98.158,-4.554 cw(c98.057,-4.55) 98.057,-4.65 0.8,-4.65 cw(c0.8,0.15)

## Keep-outs
Keep-Out Layer:
  the board outline again, w0.1

## Other copper
Top Layer:
  pour cut-out: 46.516,39.409 46.886,39.04 49.047,39.04 49.047,37.922 47.711,36.586 47.066,36.586
  pour cut-out: 49.352,39.211 49.352,42.519 48.793,43.078 48.489,42.774 48.489,39.004
  pour cut-out: 44.295,35.374 49.725,35.374 49.962,35.611 48.743,36.83 44.485,36.83
  pour cut-out: 37.5,26.375 39.11,26.375 39.247,26.238 38.7,25.691 38.7,24.556 37.5,24.556
  pour cut-out: 42.189,33.63 42.189,26.873 42.872,26.191 44.323,26.191 44.323,29.032 45.161,29.87 45.161,31.441 44.006,32.596
  pour cut-out: 40.549,35.147 42.349,35.147 42.349,33.327 41.149,33.327
  pour cut-out: 40.488,38.659 42.57,40.742 42.57,40.646 44.514,38.703 44.514,37.803 41.034,37.803
  pour cut-out: 77.732,60.564 77.732,54.511 77.475,54.254 77.469,54.261 76.971,54.261 76.971,59.887 76.91,59.948
  pour cut-out: 75.246,53.502 79.302,53.502 79.786,53.986 79.786,54.701 79.412,55.075 75.098,55.075 75.006,54.983
  pour cut-out: 74.971,54.261
  region net +3V3: 49.264,22.517 47.943,23.837 47.941,23.837 47.941,23.835 46.622,22.517

## Silkscreen, mask and mechanical layers (free items; w line width, h text height)
Top Overlay:
  circle w0.254: c34.392,40.513 r0.127
  lines w0.2: 40.411,25.425 40.411,26.416 41.478,27.483 41.478,27.762 ; 75.68,26.505 75.68,27.813 ; 2.438,49.497 12.954,49.497 12.954,60.249 2.438,60.249 2.438,49.497
  text "LoRa Weather Station Sensor Board 1.0" at 31.172,65.049 h1
  text "J3: / 1 - SWDIO / 2 - SWCLK / 3 - RESET / 4 - GND / 5 - 3V3" at 2.755,49.421 h1
  text "SCL" at 40.843,45.364 h0.8
  text "SDA" at 34.925,44.425 h0.8
  text "MISO" at 55.651,39.192 h0.8
  text "nRST" at 31.42,36.119 h0.8
  text "SCK" at 54,35.89 h0.8
  text "MOSI" at 64.427,33.385 h0.8
  text "CS" at 59.792,32.918 h0.8
  text "DEBUG" at 58.326,30.297 h0.8
  text "VIN" at 74.811,28.265 h0.8
  text "GND" at 58.275,27.757 h0.8
  text "GND" at 85.123,23.718 h0.8
  text "+3V3" at 57.658,23.241 h0.8
  text "K" at 33.198,22.682 h1
  text "MADE BY DAMIAN DOLEWSKI" at 37.92,-3.683 h1
Mechanical 8:
  circle w0.1: c98,0 r2
  circle w0.1: c98,62.5 r2
  circle w0.1: c0,62.5 r2
  circle w0.1: c0,0 r2